# KiCad board sswkbd_wiring.kicad_pcb (continued)
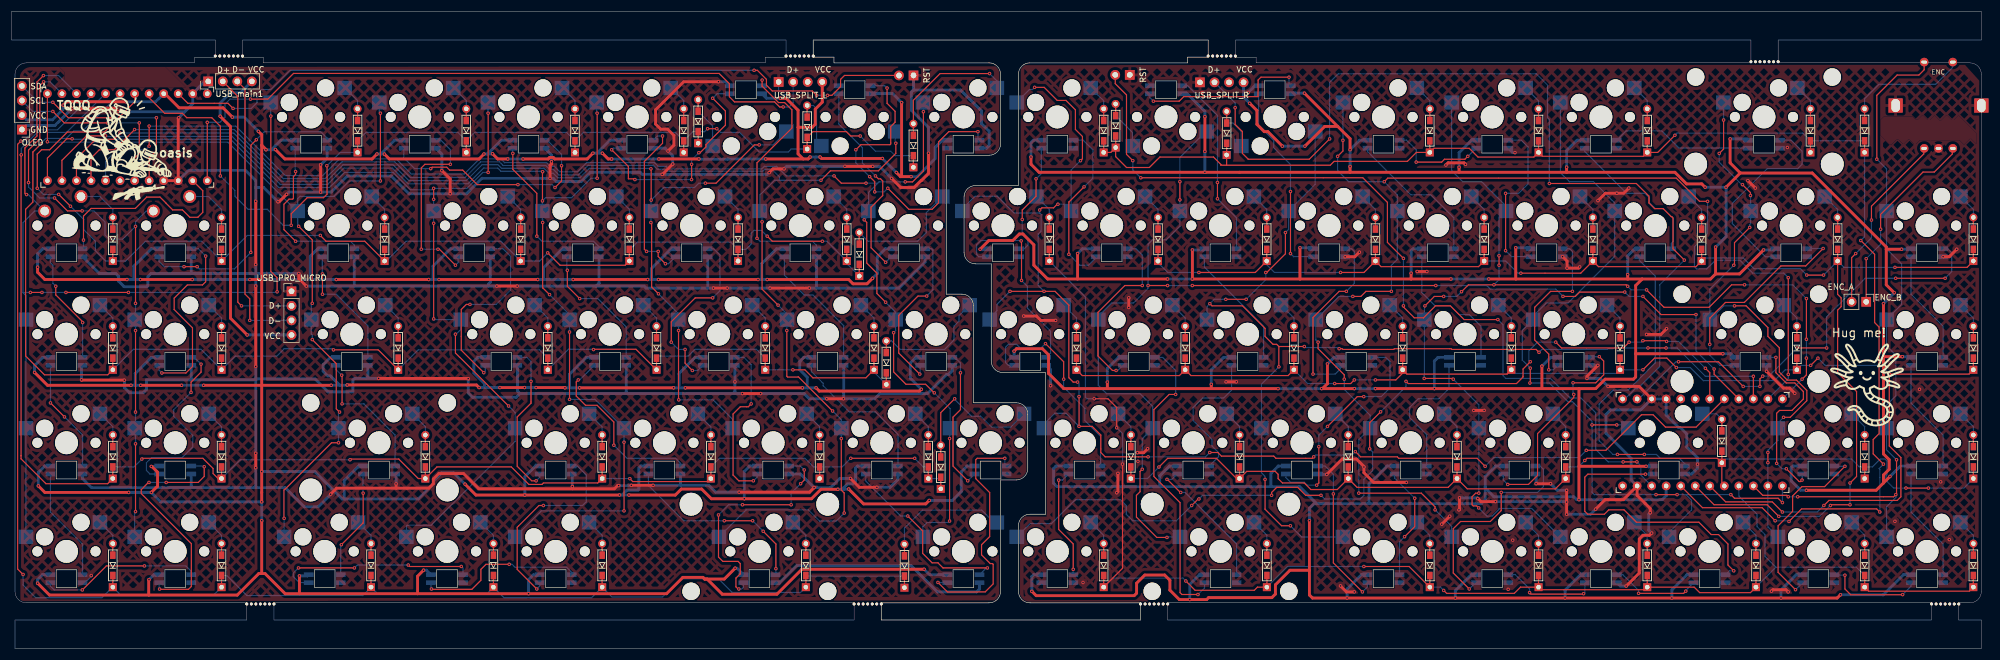
[diagram p0: board, top side]
## Nets
GND: LED1.3 LED2.3 LED3.3 LED4.3 LED5.3 LED6.3 LED7.3 LED8.3 LED9.3 LED10.3 LED11.3 LED12.3 LED13.3 LED14.3 LED15.3 LED16.3 LED17.3 LED18.3 LED19.3 LED20.3 LED21.3 LED22.3 LED23.3 LED24.3 LED25.3 LED26.3 LED27.3 LED28.3 LED29.3 LED30.3 LED31.3 LED32.3 LED33.3 LED34.3 LED35.3 LED36.3 LED37.3 LED38.3 OLED.1 RST.1 U1.3 U1.4 U1.23 USB_main1.1 USB_PRO_MICRO.1 USB_SPLIT_L.1
GND2: ENC. ENC.C LED39.3 LED40.3 LED41.3 LED42.3 LED43.3 LED44.3 LED45.3 LED46.3 LED47.3 LED48.3 LED49.3 LED50.3 LED51.3 LED52.3 LED53.3 LED54.3 LED55.3 LED56.3 LED57.3 LED58.3 LED59.3 LED60.3 LED61.3 LED62.3 LED63.3 LED64.3 LED65.3 LED66.3 LED67.3 LED68.3 LED69.3 LED70.3 LED71.3 LED72.3 LED73.3 LED74.3 LED75.3 LED76.3 LED77.3 LED78.3 RST#2.1 U2.3 U2.4 U2.23 USB_SPLIT_R.1
VCC: LED1.1 LED2.1 LED3.1 LED4.1 LED5.1 LED6.1 LED7.1 LED8.1 LED9.1 LED10.1 LED11.1 LED12.1 LED13.1 LED14.1 LED15.1 LED16.1 LED17.1 LED18.1 LED19.1 LED20.1 LED21.1 LED22.1 LED23.1 LED24.1 LED25.1 LED26.1 LED27.1 LED28.1 LED29.1 LED30.1 LED31.1 LED32.1 LED33.1 LED34.1 LED35.1 LED36.1 LED37.1 LED38.1 OLED.2 U1.21 USB_SPLIT_L.4
VCC2: LED39.1 LED40.1 LED41.1 LED42.1 LED43.1 LED44.1 LED45.1 LED46.1 LED47.1 LED48.1 LED49.1 LED50.1 LED51.1 LED52.1 LED53.1 LED54.1 LED55.1 LED56.1 LED57.1 LED58.1 LED59.1 LED60.1 LED61.1 LED62.1 LED63.1 LED64.1 LED65.1 LED66.1 LED67.1 LED68.1 LED69.1 LED70.1 LED71.1 LED72.1 LED73.1 LED74.1 LED75.1 LED76.1 LED77.1 LED78.1 U2.21 USB_SPLIT_R.4
col0: SW1.1 SW16.1 SW33.1 SW49.1 SW65.1 U1.15
col1: SW17.1 SW34.1 SW50.1 SW66.1 U1.14
col2: SW2.1 SW18.1 SW35.1 SW51.1 SW67.1 U1.13
col3: SW3.1 SW19.1 SW36.1 SW52.1 SW68.1 U1.12
col4: SW4.1 SW20.1 SW37.1 SW53.1 SW69.1 U1.11
col5: SW5.1 SW21.1 SW38.1 SW54.1 U1.10
col6: SW6.1 SW22.1 SW39.1 SW55.1 SW70.1 U1.9
col7: SW7.1 SW23.1 SW40.1 SW56.1 SW71.1 U1.8
col8: U1.7
col_r_0: SW72.1 U2.7
col_r_1: SW8.1 SW24.1 SW25.1 SW41.1 SW57.1 U2.8
col_r_2: SW9.1 SW26.1 SW42.1 SW58.1 SW73.1 U2.9
col_r_3: SW10.1 SW27.1 SW43.1 SW59.1 SW74.1 U2.10
col_r_4: SW11.1 SW28.1 SW44.1 SW60.1 SW75.1 U2.11
col_r_5: SW12.1 SW29.1 SW45.1 SW61.1 SW76.1 U2.12
col_r_6: SW13.1 SW30.1 SW46.1 SW62.1 SW77.1 U2.13
col_r_7: SW14.1 SW31.1 SW47.1 SW63.1 SW78.1 U2.14
col_r_8: ENC.S2 SW32.1 SW48.1 SW64.1 SW79.1 U2.15
LED_L: LED1.4 U1.2
LED_R: LED39.4 U2.2
OLED_SCL: OLED.3 U1.6
OLED_SDA: OLED.4 U1.5
row0: D1.1 D2.1 D3.1 D4.1 D5.1 D6.1 D7.1 U1.20
row1: D16.1 D17.1 D18.1 D19.1 D20.1 D21.1 D22.1 D23.1 U1.19
row2: D33.1 D34.1 D35.1 D36.1 D37.1 D38.1 D39.1 D40.1 U1.18
row3: D49.1 D50.1 D51.1 D52.1 D53.1 D54.1 D55.1 D56.1 U1.17
row4: D65.1 D66.1 D67.1 D68.1 D69.1 D70.1 D71.1 U1.16
row5: D8.1 D9.1 D10.1 D11.1 D12.1 D13.1 D14.1 D15.1 U2.20
row6: D25.1 D26.1 D27.1 D28.1 D29.1 D30.1 D31.1 D32.1 U2.19
row7: D41.1 D42.1 D43.1 D44.1 D45.1 D46.1 D47.1 D48.1 U2.18
row8: D57.1 D58.1 D59.1 D60.1 D61.1 D62.1 D63.1 D64.1 U2.17
row9: D24.1 D72.1 D73.1 D74.1 D75.1 D76.1 D77.1 D78.1 D79.1 U2.16
RST: RST.2 U1.22
RST_R: RST#2.2 U2.22
SPLIT_L: U1.1 USB_SPLIT_L.2
SPLIT_R: U2.1 USB_SPLIT_R.2
USB_D+: USB_main1.2 USB_PRO_MICRO.2
USB_D-: USB_main1.3 USB_PRO_MICRO.3
USB_VCC: USB_main1.4 USB_PRO_MICRO.4
Net-(D1-A): D1.2 SW1.2
Net-(D2-A): D2.2 SW2.2
Net-(D3-A): D3.2 SW3.2
Net-(D4-A): D4.2 SW4.2
Net-(D5-A): D5.2 SW5.2
Net-(D6-A): D6.2 SW6.2
Net-(D7-A): D7.2 SW7.2
Net-(D8-A): D8.2 SW8.2
Net-(D9-A): D9.2 SW9.2
Net-(D10-A): D10.2 SW10.2
Net-(D11-A): D11.2 SW11.2
Net-(D12-A): D12.2 SW12.2
Net-(D13-A): D13.2 SW13.2
Net-(D14-A): D14.2 SW14.2
Net-(D15-A): D15.2 ENC.S1
Net-(D16-A): D16.2 SW16.2
Net-(D17-A): D17.2 SW17.2
Net-(D18-A): D18.2 SW18.2
Net-(D19-A): D19.2 SW19.2
Net-(D20-A): D20.2 SW20.2
Net-(D21-A): D21.2 SW21.2
Net-(D22-A): D22.2 SW22.2
Net-(D23-A): D23.2 SW23.2
Net-(D24-A): D24.2 SW24.2
Net-(D25-A): D25.2 SW25.2
Net-(D26-A): D26.2 SW26.2
Net-(D27-A): D27.2 SW27.2
Net-(D28-A): D28.2 SW28.2
Net-(D29-A): D29.2 SW29.2
Net-(D30-A): D30.2 SW30.2
Net-(D31-A): D31.2 SW31.2
Net-(D32-A): D32.2 SW32.2
Net-(D33-A): D33.2 SW33.2
Net-(D34-A): D34.2 SW34.2
Net-(D35-A): D35.2 SW35.2
Net-(D36-A): D36.2 SW36.2
Net-(D37-A): D37.2 SW37.2
Net-(D38-A): D38.2 SW38.2
Net-(D39-A): D39.2 SW39.2
Net-(D40-A): D40.2 SW40.2
Net-(D41-A): D41.2 SW41.2
Net-(D42-A): D42.2 SW42.2
Net-(D43-A): D43.2 SW43.2
Net-(D44-A): D44.2 SW44.2
Net-(D45-A): D45.2 SW45.2
Net-(D46-A): D46.2 SW46.2
Net-(D47-A): D47.2 SW47.2
Net-(D48-A): D48.2 SW48.2
Net-(D49-A): D49.2 SW49.2
Net-(D50-A): D50.2 SW50.2
Net-(D51-A): D51.2 SW51.2
Net-(D52-A): D52.2 SW52.2
Net-(D53-A): D53.2 SW53.2
Net-(D54-A): D54.2 SW54.2
Net-(D55-A): D55.2 SW55.2
Net-(D56-A): D56.2 SW56.2
Net-(D57-A): D57.2 SW57.2
Net-(D58-A): D58.2 SW58.2
Net-(D59-A): D59.2 SW59.2
Net-(D60-A): D60.2 SW60.2
Net-(D61-A): D61.2 SW61.2
Net-(D62-A): D62.2 SW62.2
Net-(D63-A): D63.2 SW63.2
Net-(D64-A): D64.2 SW64.2
Net-(D65-A): D65.2 SW65.2
Net-(D66-A): D66.2 SW66.2
Net-(D67-A): D67.2 SW67.2
Net-(D68-A): D68.2 SW68.2
Net-(D69-A): D69.2 SW69.2
Net-(D70-A): D70.2 SW70.2
Net-(D71-A): D71.2 SW71.2
Net-(D72-A): D72.2 SW72.2
Net-(D73-A): D73.2 SW73.2
Net-(D74-A): D74.2 SW74.2
Net-(D75-A): D75.2 SW75.2
Net-(D76-A): D76.2 SW76.2
Net-(D77-A): D77.2 SW77.2
Net-(D78-A): D78.2 SW78.2
Net-(D79-A): D79.2 SW79.2
Net-(J4-Pin_1): ENC.B J4.1
Net-(J4-Pin_2): ENC.A J4.2
Net-(LED1-DOUT): LED1.2 LED2.4
Net-(LED2-DOUT): LED2.2 LED3.4
Net-(LED3-DOUT): LED3.2 LED4.4
Net-(LED4-DOUT): LED4.2 LED5.4
Net-(LED5-DOUT): LED5.2 LED6.4
Net-(LED6-DOUT): LED6.2 LED7.4
Net-(LED7-DOUT): LED7.2 LED8.4
Net-(LED8-DOUT): LED8.2 LED9.4
Net-(LED10-DIN): LED9.2 LED10.4
Net-(LED10-DOUT): LED10.2 LED11.4
Net-(LED11-DOUT): LED11.2 LED12.4
Net-(LED12-DOUT): LED12.2 LED13.4
Net-(LED13-DOUT): LED13.2 LED14.4
Net-(LED14-DOUT): LED14.2 LED15.4
Net-(LED15-DOUT): LED15.2 LED16.4
Net-(LED16-DOUT): LED16.2 LED17.4
Net-(LED17-DOUT): LED17.2 LED18.4
Net-(LED18-DOUT): LED18.2 LED19.4
Net-(LED19-DOUT): LED19.2 LED20.4
Net-(LED20-DOUT): LED20.2 LED21.4
Net-(LED21-DOUT): LED21.2 LED22.4
Net-(LED22-DOUT): LED22.2 LED23.4
Net-(LED23-DOUT): LED23.2 LED24.4
Net-(LED24-DOUT): LED24.2 LED25.4
Net-(LED25-DOUT): LED25.2 LED26.4
Net-(LED26-DIN): LED26.2 LED27.4
Net-(LED26-DOUT): LED27.2 LED28.4
Net-(LED28-DOUT): LED28.2 LED29.4
Net-(LED29-DOUT): LED29.2 LED30.4
Net-(LED30-DOUT): LED30.2 LED31.4
Net-(LED31-DOUT): LED31.2 LED32.4
Net-(LED32-DOUT): LED32.2 LED33.4
Net-(LED33-DOUT): LED33.2 LED34.4
Net-(LED34-DOUT): LED34.2 LED35.4
Net-(LED35-DIN): LED35.2 LED36.4
Net-(LED35-DOUT): LED36.2 LED37.4
Net-(LED37-DOUT): LED37.2 LED38.4
Net-(LED39-DOUT): LED39.2 LED40.4
Net-(LED40-DOUT): LED40.2 LED41.4
Net-(LED41-DOUT): LED41.2 LED42.4
Net-(LED42-DOUT): LED42.2 LED43.4
Net-(LED43-DOUT): LED43.2 LED44.4
Net-(LED44-DOUT): LED44.2 LED45.4
Net-(LED45-DOUT): LED45.2 LED46.4
Net-(LED46-DOUT): LED46.2 LED47.4
Net-(LED47-DOUT): LED47.2 LED48.4
Net-(LED48-DOUT): LED48.2 LED49.4
Net-(LED49-DOUT): LED49.2 LED50.4
Net-(LED50-DOUT): LED50.2 LED51.4
Net-(LED51-DOUT): LED51.2 LED52.4
Net-(LED52-DOUT): LED52.2 LED53.4
Net-(LED53-DOUT): LED53.2 LED54.4
Net-(LED54-DOUT): LED54.2 LED55.4
Net-(LED55-DIN): LED55.2 LED56.4
Net-(LED55-DOUT): LED56.2 LED57.4
Net-(LED57-DOUT): LED57.2 LED58.4
Net-(LED58-DOUT): LED58.2 LED59.4
Net-(LED59-DOUT): LED59.2 LED60.4
Net-(LED60-DOUT): LED60.2 LED61.4
Net-(LED61-DOUT): LED61.2 LED62.4
Net-(LED62-DOUT): LED62.2 LED63.4
Net-(LED63-DOUT): LED63.2 LED64.4
Net-(LED64-DOUT): LED64.2 LED65.4
Net-(LED65-DIN): LED65.2 LED66.4
Net-(LED65-DOUT): LED66.2 LED67.4
Net-(LED67-DOUT): LED67.2 LED68.4
Net-(LED68-DOUT): LED68.2 LED69.4
Net-(LED69-DOUT): LED69.2 LED70.4
Net-(LED70-DOUT): LED70.2 LED71.4
Net-(LED71-DOUT): LED71.2 LED72.4
Net-(LED72-DOUT): LED72.2 LED73.4
Net-(LED73-DOUT): LED73.2 LED74.4
Net-(LED74-DOUT): LED74.2 LED75.4
Net-(LED75-DOUT): LED75.2 LED76.4
Net-(LED76-DOUT): LED76.2 LED77.4
Net-(LED77-DOUT): LED77.2 LED78.4

Pads without a net: LED38 2; LED78 2; U1 24; U2 5 6 24; USB_SPLIT_L 3; USB_SPLIT_R 3

## Via types
v1: diameter 0.6, hole 0.3, Top to Bottom, 710 vias

## Routing (per net, layer and track width the routed paths; a pad name or vN(x,y) marks a point on that pad's centre or on a via; arc(x,y) is an arc through that point)
GND: length 939.6
  Top w0.2: 29.15,81.85 29.15,82.08
  Top w0.5: v1(50.23,65.61) 50.23,64.71 v1(51.53,63.41) ; 140.33,28.21 v1(140.28,28.16) 139.48,27.36 v1(127.18,27.36) ; v1(48.08,79.46) 46.78,78.16 v1(46.58,78.16) ; v1(42.69,63.41) v1(42.69,49.36) ; v1(94.13,82.26) 94.13,84.51 94.38,84.76 v1(94.38,85.16) ; v1(64.18,47.26) 79.78,47.26 v1(79.83,47.21) ; 67.23,28.06 72.95,28.06 73.73,28.84 73.73,29.66 74.68,30.61 79.03,30.61 81.68,27.96 98.03,27.96 ; 67.23,28.06 56.83,28.06 v1(55.78,27.01) ; 67.23,28.06 v1(67.23,28.81) ; v1(76.68,79.56) 76.68,82.16 v1(75.22,83.61) ; v1(108.33,28.56) v1(112.14,28.56) ; v1(139.45,63.06) v1(132.59,63.06) ; v1(125.1,63.06) v1(122.68,63.06) ; v1(42.69,31.63) v1(42.69,34.17) ; v1(130.94,44.61) v1(127.76,44.61) ; v1(10.74,94.46) 18.08,94.46 v1(18.63,93.91) ; 98.03,27.96 v1(98.03,28.36) ; 98.03,27.96 105.38,27.96 105.93,28.51 v1(106.13,28.51) ; v1(42.69,67.19) v1(42.69,78.24) ; v1(54.03,79.86) v1(54.03,84.61) ; v1(135.03,83.91) 133.08,83.91 v1(132.43,83.26) ; v1(115.58,84.76) 113.78,82.96 v1(113.73,82.96) ; v1(153.83,82.24) 155.41,80.66 157.78,80.66 159.03,81.91 159.08,81.91 160.28,83.11 v1(160.28,86.66) ; v1(123.58,99.16) 117.48,99.16 112.58,94.26 112.58,91.76 113.48,90.86 114.68,90.86 115.78,89.76 115.78,88.06 v1(114.75,87.03) ; v1(145.67,84.36) v1(150.53,84.36) ; v1(142.49,43.7) v1(145.42,43.7) ; v1(151.26,28.21) 148.18,28.21 v1(146.63,29.76) ; v1(19.74,46.96) 12.29,46.96 v1(12.24,47.01) ; v1(29.24,92.86) 29.15,92.76 29.15,81.85 U1.4 ; v1(88.39,63.41) v1(84.84,63.41)
  Bottom w0.2: v1(135.89,96.91) 134.75,96.91 134.08,97.57 USB_SPLIT_L.1 ; 145.44,43.73 v1(145.42,43.7) ; 12.42,11.51 12.44,11.54 12.88,11.54 13.94,12.6 v1(13.94,12.76)
  Bottom w0.5: 30.29,93.91 31.69,95.3 31.69,97.1 33.81,99.22 USB_main1.1 ; 30.29,93.91 v1(18.63,93.91) ; 30.29,93.91 v1(29.24,92.86) ; v1(123.58,99.16) 124.87,99.16 LED29.3 ; 83.38,63.41 v1(84.84,63.41) ; 83.38,63.41 59.88,63.41 ; 83.38,63.41 83.38,63.76 83.69,64.08 83.69,68.51 LED18.3 ; v1(42.69,31.63) 42.69,28.36 42.49,28.16 31.44,28.16 ; LED6.3 31.42,28.53 31.44,28.51 31.44,28.16 ; v1(64.18,47.26) 61.98,47.26 ; 61.98,47.26 59.98,47.26 59.68,46.96 59.68,44.91 55.33,44.91 53.05,47.18 42.85,47.18 42.68,47.01 31.59,47.01 ; 61.98,47.26 62.29,47.58 LED11.3 ; v1(151.26,28.21) 153.55,28.21 154.92,29.57 LED32.3 ; v1(19.74,46.96) 19.74,45.66 20.64,44.76 23.04,44.76 23.59,45.31 23.59,47.01 31.59,47.01 ; v1(42.69,49.36) v1(42.69,34.17) ; v1(139.45,63.06) 140.68,63.06 ; 140.68,63.06 155.1,63.06 159.67,67.63 LED36.3 ; 140.68,63.06 140.69,63.08 140.69,68.51 LED30.3 ; v1(94.38,85.16) 94.38,86.33 LED20.3 ; LED33.3 169.17,10.4 168.68,9.91 161.83,9.91 157.23,14.51 137.23,14.51 134.25,11.54 LED24.3 ; v1(113.73,82.96) 113.63,82.96 ; v1(113.73,82.96) 110.23,82.96 109.88,83.31 101.18,83.31 99.58,81.71 95.23,81.71 94.68,82.26 82.23,82.26 79.53,79.56 69.48,79.56 66.38,82.66 58.68,82.66 55.88,79.86 v1(54.03,79.86) 48.48,79.86 v1(48.08,79.46) ; v1(113.73,82.96) 132.13,82.96 v1(132.43,83.26) ; 88.88,44.61 88.44,45.04 88.44,49.51 LED17.3 ; 88.88,44.61 88.23,43.96 80.58,43.96 79.83,44.71 v1(79.83,47.21) ; 88.88,44.61 107.68,44.61 ; LED19.3 75.22,86.48 v1(75.22,83.61) ; v1(130.94,44.61) 138.53,44.61 139.45,43.7 v1(142.49,43.7) ; 117.03,28.56 121.88,28.56 123.08,27.36 v1(127.18,27.36) ; 117.03,28.56 116.92,28.67 LED23.3 ; 117.03,28.56 v1(112.14,28.56) ; v1(12.24,47.01) 12.24,49.36 LED2.3 ; LED10.3 59.92,63.45 59.88,63.41 ; v1(98.03,28.36) 98.03,30.43 LED16.3 ; LED3.3 12.42,29.73 13.99,28.16 31.44,28.16 ; v1(115.58,84.76) 115.58,86.21 v1(114.75,87.03) 114.25,87.54 LED28.3 ; v1(10.74,94.46) 10.54,94.46 7.59,91.51 2.54,91.51 OLED.1 ; 121.68,63.06 v1(122.68,63.06) ; 121.68,63.06 121.69,63.08 121.69,68.51 LED27.3 ; 121.68,63.06 110.93,63.06 110.58,63.41 102.18,63.41 ; LED31.3 145.44,49.51 145.44,43.73 ; LED8.3 31.42,65.68 31.49,65.61 ; 126.33,44.61 126.33,44.91 126.44,45.03 v1(126.44,46.66) 126.44,49.51 LED26.3 ; 126.33,44.61 107.68,44.61 ; 126.33,44.61 v1(127.76,44.61) ; v1(145.67,84.36) 135.48,84.36 v1(135.03,83.91) ; 157.63,97.71 157.65,97.73 RST.1 ; 157.63,97.71 165.88,97.71 169.53,94.06 169.53,91.85 170.87,90.51 170.87,87.99 170.41,87.54 LED38.3 ; 157.63,97.71 157.28,97.36 157.28,94.17 160.28,91.17 v1(160.28,86.66) ; v1(106.13,28.51) 108.28,28.51 v1(108.33,28.56) ; 59.88,63.41 v1(51.53,63.41) ; 42.69,65.61 v1(42.69,63.41) ; 42.69,65.61 v1(42.69,67.19) ; 42.69,65.61 31.49,65.61 ; v1(146.63,29.76) 144.78,29.76 143.18,28.16 v1(140.28,28.16) 137.9,30.54 LED25.3 ; 31.49,65.61 24.39,65.61 23.84,65.06 23.84,63.46 23.69,63.31 19.69,63.31 18.74,64.26 18.74,65.11 18.24,65.61 15.37,65.61 12.44,68.54 LED1.3 ; 107.68,44.61 107.44,44.84 107.44,49.51 LED22.3 ; 31.59,47.01 31.42,47.18 LED7.3 ; LED35.3 164.42,48.6 163.75,47.94 163.43,47.94 160.1,44.61 151.76,44.61 150.85,43.7 v1(145.42,43.7) ; LED12.3 67.23,30.35 v1(67.23,28.81) ; v1(125.1,63.06) v1(132.59,63.06) ; 42.69,80.66 42.69,81.86 40.89,83.66 30.95,83.66 29.15,81.85 ; 42.69,80.66 44.08,80.66 v1(46.58,78.16) ; 42.69,80.66 v1(42.69,78.24) ; v1(88.39,63.41) 102.18,63.41 ; 102.18,63.41 102.69,63.93 102.69,63.94 ; 42.63,65.61 v1(50.23,65.61) ; v1(54.03,84.61) 55.17,85.75 LED9.3 ; v1(150.53,84.36) 151.71,84.36 v1(153.83,82.24) ; v1(55.78,27.01) 55.78,26.96 53.63,24.81 51.18,24.81 47.83,28.16 42.43,28.16 ; 102.69,63.94 102.69,68.51 LED21.3 ; 102.69,63.94 102.68,63.93
GND2: length 218.3
  Top w0.5: v1(232.28,10.96) 233.32,9.91 v1(234.7,9.91) ; v1(253.08,26.36) 253.08,24.36 v1(252.98,24.26) ; v1(193.38,30.66) 193.38,27.46 v1(193.18,27.26) ; v1(212.28,46.66) v1(214.08,46.66) ; v1(277.26,49.54) 275.35,47.63 v1(275.35,47.25) ; v1(282.68,80.56) 281.78,79.66 v1(280.58,79.66) 278.58,79.66 v1(277.28,78.36) ; v1(276.88,24.39) 278.53,26.04 281.71,26.04 U2.23 284.12,26.81 286.4,24.52 v1(286.4,23.76) ; v1(250.7,84.59) 251.08,84.97 253.87,84.97 v1(254.13,84.72) ; v1(279.04,45.86) 284.47,45.86 U2.3 ; v1(307.59,10.04) 307.85,10.3 310.13,10.3 v1(310.51,9.91) ; v1(233.09,68.54) 234.77,68.54 v1(235.58,69.35) ; v1(285.78,54.96) 288.28,54.96 v1(289.28,55.96) ; v1(311.68,44.66) 310.78,45.56 309.68,45.56 v1(306.74,48.5) ; v1(269,28.84) v1(266.46,28.84) ; v1(243.78,29.06) 238.08,29.06 236.38,30.76 v1(236.38,31.76) 236.38,31.86 235.08,33.16 232.58,33.16 v1(229.88,30.46) ; v1(176.91,58.17) 179.13,58.17 179.9,57.41 v1(182.5,57.41) ; 271.8,25.79 v1(271.8,27.69) ; 271.8,25.79 v1(271.8,23.5) ; 271.8,25.79 v1(271.8,25.63) ; v1(303.48,81.86) v1(304.78,80.56) ; v1(274.08,66.76) 273.88,66.56 v1(271.88,66.56) 271.88,67.77 v1(271.09,68.56) ; v1(337.59,68.56) 338.68,68.56 v1(339.98,69.86) ; v1(282.21,10.93) 284.5,13.22 284.5,19.19 285.13,19.82 286.28,19.82 v1(286.66,20.2) ; v1(256.28,26.26) 256.83,25.71 v1(259.37,25.71) ; v1(245.68,65.96) v1(247.38,65.96) ; v1(195.28,61.36) v1(195.28,59.66) ; v1(198.58,34.96) 197.88,34.26 v1(196.78,34.26) ; v1(255.58,41.66) v1(257.38,41.66) ; v1(249.98,21.76) v1(251.38,23.16)
  Bottom w0.5: v1(229.88,30.46) 228.39,30.46 228.34,30.51 ; v1(266.46,28.84) 266.46,30.41 LED54.3 266.34,30.51 ; v1(181.61,45.98) 181.61,48.77 LED76.3 ; LED45.3 306.74,49.51 v1(306.74,48.5) ; v1(275.35,47.25) 277.64,47.25 v1(279.04,45.86) ; v1(286.66,20.2) 286.15,20.71 286.15,23.5 v1(286.4,23.76) ; v1(216.15,97.29) 217.33,98.46 217.96,98.46 ; v1(276.88,24.39) 275.99,23.5 v1(271.8,23.5) ; LED57.3 262.37,86.76 v1(262.78,86.76) ; LED50.3 293.65,30.54 294.68,31.56 v1(294.68,32.26) 294.68,33.36 292.78,35.26 292.78,37.56 291.68,38.66 291.38,38.66 289.2,40.84 U2.4 U2.3 284.75,41.76 279.48,41.76 278.68,40.96 278.68,37.66 283.08,33.26 283.08,29.49 U2.23 ; v1(253.08,26.36) 256.18,26.36 v1(256.28,26.26) ; LED55.3 275.84,49.54 v1(277.26,49.54) ; v1(271.8,25.63) 271.72,25.71 v1(259.37,25.71) ; v1(282.21,10.93) 281.2,10.93 LED52.3 ; v1(269,28.84) 270.15,27.69 v1(271.8,27.69)
  vias: v1(187.28,11.56) v1(196.88,32.76) v1(208.08,97.26) v1(261.58,10.36) v1(262.38,18.96) v1(310.38,87.66) v1(329.18,22.26) v1(333.48,45.36) v1(337.18,29.16) v1(338.68,19.06)
VCC: length 1168.1
  Top w0.5: 23.99,9.36 23.99,12.01 v1(24.04,12.06) ; 23.99,9.36 39.46,9.36 43.22,13.12 44.32,13.12 47.84,9.6 50.33,9.6 ; 23.99,9.36 6.65,9.36 v1(4.57,11.44) ; 43.68,46.06 v1(55.88,46.06) ; 50.33,9.6 v1(50.33,12.71) ; 50.33,9.6 70.98,9.6 ; v1(43.74,64.56) 43.74,46.06 ; v1(43.74,64.56) v1(41.68,64.56) ; v1(43.74,64.56) 43.74,88.06 ; 43.74,46.06 v1(33.59,46.06) ; 43.74,46.06 v1(43.74,25.66) ; v1(103.28,86.66) 104.29,85.65 v1(104.9,85.65) ; v1(159.51,13.88) 138.15,13.88 133.78,9.51 124.23,9.51 121.58,12.16 121.16,12.16 ; 155.38,82.56 155.57,82.76 v1(155.57,95.51) ; 155.38,82.56 v1(157.23,82.56) ; 155.38,82.56 v1(154.65,83.29) ; v1(84.08,86.56) 84.99,85.65 v1(86.74,85.65) ; v1(31.59,64.56) v1(22.54,64.56) ; v1(89.41,85.65) 93.8,85.65 94.07,85.91 94.69,85.91 94.95,85.65 100.61,85.65 v1(101.63,86.66) ; v1(117.78,45.61) v1(138.23,45.61) ; v1(160.4,25.92) 159.79,25.31 148.93,25.31 v1(146.33,27.91) ; v1(159.03,45.36) 158.72,45.05 141.19,45.05 v1(140.63,45.61) ; v1(24.44,31.86) 24.54,31.86 25.54,30.86 25.54,28.41 v1(24.44,27.31) ; v1(85.38,45.66) v1(89.66,45.66) ; v1(4.57,66.71) 4.57,65.83 5.84,64.56 v1(20.19,64.56) ; v1(132.08,64.56) 146.33,64.56 147.08,63.81 149.53,63.81 v1(150.5,64.78) ; v1(131.83,85.65) 139.24,85.65 v1(139.58,85.99) ; 26.6,97.1 U1.21 26.83,97.07 29.3,94.6 36.98,94.6 v1(38.61,92.97) ; v1(91.69,45.66) 96.68,45.66 v1(96.73,45.61) ; 137.48,91.19 137.48,86.55 138.38,85.65 ; 137.48,91.19 139.95,91.19 140.48,91.72 140.48,94.36 141.7,95.59 USB_SPLIT_L.4 ; 137.48,91.19 137.48,94.18 135.38,96.27 v1(134.37,96.27) ; v1(20.89,46.06) 6.29,46.06 v1(4.04,48.31) ; 70.98,9.6 114.49,9.6 117.35,12.45 120.86,12.45 121.16,12.16 ; 70.98,9.6 70.98,12.66 v1(72.03,13.71) ; v1(107.93,26.86) 116.03,26.86 117.08,27.91 120.63,27.91 122.33,26.21 139.83,26.21 141.48,27.87 v1(144.43,27.87) ; v1(126.48,14.06) 124.59,12.17 121.17,12.17 121.16,12.16 ; v1(141.33,85.99) 141.58,85.73 v1(152.2,85.73) ; v1(43.16,90.49) 43.75,89.89 43.75,88.07 43.74,88.06 ; v1(74.73,64.56) v1(91.98,64.56) ; v1(82.58,86.51) 81.71,85.65 66.04,85.65 v1(65.18,86.51) ; v1(20,95.66) 9.64,95.66 v1(9.04,95.06) ; v1(99.31,45.61) v1(115.73,45.61) ; v1(58.67,46.11) 81.28,46.11 v1(81.73,45.66) ; v1(29.74,46.06) v1(22.59,46.06) ; 43.74,88.06 44.54,87.26 ; v1(20.49,27.31) 5.85,27.31 v1(4.7,28.46) ; v1(106.28,26.86) v1(89.73,26.86) 81.18,26.86 v1(79.28,28.76) ; v1(113.08,64.56) v1(130.48,64.56) ; v1(63.88,86.51) 63.01,85.65 47.79,85.65 v1(46.13,87.31) ; v1(120.14,85.65) v1(113.16,85.65) ; v1(98.17,64.56) v1(111.18,64.56) ; v1(56.77,64.56) v1(72.93,64.56) ; v1(43.74,22.36) 43.74,13.18
  Bottom w0.5: 83.18,86.51 85.61,88.94 LED20.1 ; 83.18,86.51 84.03,86.51 v1(84.08,86.56) ; 83.18,86.51 v1(82.58,86.51) ; LED7.1 24.47,50.94 21.64,48.11 21.64,46.06 ; v1(24.44,31.86) 25.77,31.86 25.82,31.91 ; v1(72.03,13.71) 72.55,13.71 LED14.1 ; 131.13,64.56 v1(132.08,64.56) ; 131.13,64.56 v1(130.48,64.56) ; 131.13,64.56 131.13,67.35 133.72,69.94 LED30.1 ; v1(4.04,48.31) 4.04,49.51 5.47,50.94 LED2.1 ; v1(89.73,26.86) 89.73,30.06 91.61,31.94 LED16.1 ; LED9.1 47.11,88.94 45.43,87.26 ; 97.53,45.61 97.53,47.97 100.49,50.94 LED22.1 ; 97.53,45.61 v1(99.31,45.61) ; 97.53,45.61 v1(96.73,45.61) ; v1(141.33,85.99) v1(139.58,85.99) ; v1(4.57,11.44) 4.57,12.07 5.44,12.94 LED4.1 ; v1(4.7,28.46) 4.7,30.82 5.82,31.94 LED3.1 ; LED34.1 167.02,31.94 165.99,30.91 165.99,27.44 164.46,25.92 v1(160.4,25.92) ; 21.64,46.06 v1(22.59,46.06) ; 21.64,46.06 v1(20.89,46.06) ; 145.43,27.87 145.43,28.11 146.13,28.81 147.08,28.81 147.53,29.26 147.53,31.61 147.86,31.94 LED32.1 ; 145.43,27.87 v1(144.43,27.87) ; 145.43,27.87 146.28,27.87 v1(146.33,27.91) ; LED10.1 53.53,69.94 52.23,68.63 52.23,64.56 ; 111.88,64.56 v1(113.08,64.56) ; 111.88,64.56 v1(111.18,64.56) ; 111.88,64.56 111.88,66.51 115.31,69.94 LED27.1 ; 52.23,64.56 v1(56.77,64.56) ; 52.23,64.56 43.68,64.56 ; v1(72.93,64.56) 73.68,64.56 ; 73.68,64.56 73.68,66.9 76.72,69.94 LED18.1 ; 73.68,64.56 v1(74.73,64.56) ; 139.08,45.61 139.08,47.46 137.78,48.76 137.78,50.22 138.49,50.94 LED31.1 ; 139.08,45.61 v1(138.23,45.61) ; 139.08,45.61 v1(140.63,45.61) ; v1(91.69,45.66) v1(89.66,45.66) ; 21.39,64.56 21.39,66.88 24.44,69.94 LED8.1 ; 21.39,64.56 v1(20.19,64.56) ; 21.39,64.56 v1(22.54,64.56) ; v1(43.74,22.36) v1(43.74,25.66) 26.09,25.66 v1(24.44,27.31) v1(20.49,27.31) ; v1(120.14,85.65) 120.18,85.61 125.18,85.61 125.22,85.65 v1(131.83,85.65) ; 45.43,87.26 46.08,87.26 v1(46.13,87.31) ; 45.43,87.26 v1(44.48,87.26) ; v1(63.88,86.51) 64.53,86.51 ; 64.53,86.51 66.96,88.94 LED19.1 ; 64.53,86.51 v1(65.18,86.51) ; LED26.1 119.49,50.94 116.68,48.12 116.68,45.61 ; v1(50.33,12.71) 51.72,12.71 LED13.1 ; v1(9.04,95.06) 9.04,94.36 7.19,92.51 2.65,92.51 OLED.2 ; v1(157.23,82.56) 158.3,82.56 161.43,85.69 161.43,87.66 162.71,88.94 LED38.1 ; v1(41.68,64.56) v1(31.59,64.56) ; v1(126.48,14.06) 126.8,14.06 LED24.1 ; LED25.1 129.02,31.94 128.08,31 v1(128.08,26.21) ; v1(101.63,86.66) 102.33,86.66 ; 102.33,86.66 v1(103.28,86.66) ; 102.33,86.66 104.61,88.94 LED28.1 ; 158.84,50.94 158.08,50.94 157.1,49.95 157.1,47.29 v1(159.03,45.36) ; v1(89.41,85.65) v1(86.74,85.65) ; 106.73,26.86 v1(107.93,26.86) ; 106.73,26.86 107.58,27.71 109.48,27.71 109.66,27.89 109.66,31.58 110.02,31.94 LED23.1 ; 106.73,26.86 v1(106.28,26.86) ; LED17.1 81.49,50.94 80.83,50.27 80.83,48.21 82.68,46.36 82.68,45.66 ; LED29.1 131.96,96.27 v1(134.37,96.27) ; 92.34,12.94 92.32,12.91 91.23,12.91 90.38,12.06 v1(90.38,9.6) ; 58.29,26.17 57.82,26.17 53.03,30.96 43.68,30.96 ; 58.29,26.17 71.11,26.17 73.79,28.85 73.79,29.35 75.18,30.74 77.3,30.74 v1(79.28,28.76) ; 58.29,26.17 58.17,26.3 58.17,29.4 60.71,31.94 LED12.1 ; LED33.1 160.46,12.94 v1(159.51,13.88) ; v1(24.04,12.06) 24.92,12.94 LED5.1 ; v1(150.5,64.78) 151.33,65.61 151.33,68.55 152.72,69.94 LED36.1 ; LED1.1 5.44,69.94 4.57,69.07 v1(4.57,66.71) ; 82.68,45.66 v1(85.38,45.66) ; 82.68,45.66 v1(81.73,45.66) ; v1(115.73,45.61) 116.68,45.61 ; 116.68,45.61 v1(117.78,45.61) ; v1(55.88,46.06) 57.38,46.06 ; 57.38,46.06 58.62,46.06 v1(58.67,46.11) ; 57.38,46.06 55.73,47.71 55.28,47.71 54.48,48.51 54.48,49.66 55.76,50.94 LED11.1 ; v1(155.57,95.51) 154,97.09 150.22,97.09 150.19,97.06 ; v1(154.65,83.29) v1(152.2,85.73) ; v1(113.16,85.65) v1(104.9,85.65) ; 92.98,64.56 v1(98.17,64.56) ; 92.98,64.56 92.98,66.61 96.31,69.94 LED21.1 ; 92.98,64.56 v1(91.98,64.56) ; v1(43.16,90.49) 40.67,92.97 v1(38.61,92.97) ; v1(20,95.66) 25.19,95.66 U1.21 ; v1(29.74,46.06) v1(33.59,46.06)
  vias: v1(43.74,30.96)
VCC2: length 1130.9
  Top w0.5: v1(306.22,69.73) 302.02,65.54 297.83,65.54 ; v1(296,80.71) 295.42,81.29 292.75,81.29 290.72,83.32 271.8,83.32 ; v1(216.41,95.39) 217.68,94.12 217.68,91.7 218.95,90.43 219.58,90.43 v1(222.12,87.89) ; v1(300.37,89.16) 300.37,84.97 302.15,83.19 ; v1(251.59,64.65) 244.62,64.65 ; 244.62,64.65 225.19,64.65 ; 244.62,64.65 v1(244.62,65.67) ; 233.95,83.32 v1(208.58,83.32) 179.6,83.32 178.18,84.74 v1(178.18,85.99) ; 233.95,83.32 v1(233.95,84.34) ; 233.95,83.32 253,83.32 ; 225.19,64.65 v1(225.19,70.11) ; 225.19,64.65 206.39,64.65 ; 327.66,69.86 327.66,63.64 v1(329.06,62.24) ; 327.66,69.86 v1(330.35,69.86) ; 327.66,69.86 327.66,70.26 314.72,83.19 302.15,83.19 ; v1(226.06,87.89) 229.51,91.34 231.8,91.34 ; 282.47,64.65 v1(282.47,65.41) ; 282.47,64.65 262.91,64.65 ; 282.47,64.65 285.01,64.65 ; v1(202.06,64.65) 186.33,64.65 ; 186.33,64.65 181.1,64.65 178.69,67.06 178.69,70.62 176.78,72.53 176.15,72.53 175.01,71.38 170.81,71.38 v1(169.29,69.86) ; 186.33,64.65 v1(186.33,69.1) ; 283.86,51.57 283.86,47.51 283.48,47.13 278.53,47.13 276.88,45.47 273.96,45.47 ; 283.86,51.57 283.86,63.51 285.01,64.65 ; 283.86,51.57 v1(299.1,51.57) ; 273.96,31.89 v1(285.68,31.89) ; 273.96,31.89 273.96,45.47 ; 273.96,31.89 v1(273.96,26.04) ; v1(221.36,45.47) 209.7,45.47 ; 209.7,45.47 191.54,45.47 ; 209.7,45.47 v1(209.7,46.24) ; v1(178.33,10.02) 179.1,9.25 196.21,9.25 196.65,9.69 196.65,11.44 198.07,12.86 201.55,12.86 202.46,11.95 202.46,10.22 204.11,8.57 v1(205.94,8.57) 208.89,8.57 209.23,8.91 220.28,8.91 220.9,9.53 220.9,11.16 223.44,13.7 226.85,13.7 ; v1(226.85,22.36) 226.85,13.7 ; 226.85,13.7 226.85,9.37 227.38,8.84 319.09,8.84 v1(319.66,9.41) ; 191.54,45.47 183.92,45.47 181.25,48.14 181.25,51.39 180.18,52.46 175.67,52.46 v1(175.23,52.03) ; 191.54,45.47 v1(191.54,46.62) ; 302.15,83.19 v1(299.67,80.71) ; 297.83,65.54 v1(297.83,70.24) ; 297.83,65.54 296.94,64.65 285.01,64.65 ; 231.8,91.34 v1(225.98,97.16) ; 231.8,91.34 233.95,89.18 v1(233.95,87.26) ; v1(234.7,45.47) 229.13,45.47 ; 229.13,45.47 230,46.34 v1(230,49.79) ; 229.13,45.47 v1(228.98,45.47) ; 206.39,64.65 v1(206.39,69.73) ; 206.39,64.65 v1(206.38,64.65) ; 273.96,45.47 267.48,45.47 ; 267.48,45.47 v1(267.48,49.41) ; 267.48,45.47 v1(248.69,45.47) v1(238.38,45.47) ; v1(327.17,60.33) 327.17,51.06 ; 327.17,51.06 327.17,34.04 328.17,33.05 328.17,31.36 327.17,30.36 327.17,28.97 ; 327.17,51.06 v1(330.47,51.06) ; v1(208.58,93.06) v1(208.58,86.96) ; 262.91,64.65 v1(262.91,70.11) ; 262.91,64.65 v1(258.19,64.65) ; 253,83.32 v1(253,84.21) ; 253,83.32 271.8,83.32 ; 327.17,28.97 v1(328.31,30.11) ; 327.17,28.97 325.9,27.69 v1(313.71,27.69) ; 271.8,83.32 v1(271.8,84.21)
  Bottom w0.5: v1(216.41,95.39) 215.34,96.46 USB_SPLIT_R.4 ; 228.11,25.35 225.13,28.33 220.11,28.33 ; 228.11,25.35 227.68,25.35 226.85,24.52 v1(226.85,22.36) ; 228.11,25.35 237.25,25.35 ; v1(306.22,69.73) 308.04,69.73 LED46.1 ; LED42.1 330.67,12.94 327.14,9.41 v1(319.66,9.41) ; v1(271.53,8.84) 271.53,10.21 274.26,12.94 LED52.1 ; v1(186.33,69.1) 187.17,69.94 LED73.1 ; LED70.1 202.42,31.94 200.68,30.2 200.68,28.33 ; LED39.1 331.91,69.86 v1(330.35,69.86) ; v1(327.17,60.33) 327.17,60.35 v1(329.06,62.24) ; v1(299.1,51.57) 300.48,51.57 LED45.1 ; LED78.1 178.67,12.94 178.33,12.6 v1(178.33,10.02) ; 220.11,28.33 220.11,30.63 221.42,31.94 LED63.1 ; 220.11,28.33 200.68,28.33 ; 257.57,28.33 257.57,30.1 259.42,31.94 LED54.1 ; 257.57,28.33 257.57,26.06 256.87,25.35 237.25,25.35 ; 257.57,28.33 257.57,28.08 259.1,26.55 273.07,26.55 273.58,26.04 288.5,26.04 289.2,26.74 U2.21 ; v1(221.36,45.47) v1(228.98,45.47) ; LED75.1 170.41,69.86 v1(169.29,69.86) ; LED65.1 227.32,70.11 v1(225.19,70.11) ; v1(290.19,8.84) 290.19,10.28 292.86,12.94 LED51.1 ; v1(238.38,45.47) v1(234.7,45.47) ; LED58.1 235.62,88.94 233.95,87.27 v1(233.95,87.26) v1(233.95,84.34) ; LED68.1 208.29,69.73 v1(206.39,69.73) ; v1(253,84.21) 253,86.74 255.2,88.94 LED57.1 ; v1(202.06,64.65) v1(206.38,64.65) ; LED48.1 273.62,88.94 271.8,87.12 v1(271.8,84.21) ; v1(178.18,85.99) 178.18,88.5 178.62,88.94 LED74.1 ; v1(244.62,65.67) 244.62,69.6 244.95,69.94 LED59.1 ; 223.56,97.09 223.64,97.16 v1(225.98,97.16) ; v1(233.43,8.84) 233.43,10.41 235.96,12.94 LED62.1 ; LED56.1 265.32,70.11 v1(262.91,70.11) ; 200.68,28.33 182.73,28.33 182.14,28.91 182.14,31.51 182.57,31.94 LED77.1 ; LED49.1 283.7,69.94 282.47,68.7 v1(282.47,65.41) ; LED60.1 249.32,50.94 248.69,50.3 v1(248.69,45.47) ; v1(309.26,8.84) 309.26,10.25 311.96,12.94 LED43.1 ; v1(330.47,51.06) 331.87,51.06 LED40.1 ; LED41.1 330.14,31.94 v1(328.31,30.11) ; v1(297.83,70.24) 299.67,72.07 v1(299.67,80.71) v1(296,80.71) ; v1(205.94,8.57) 205.94,11.22 207.66,12.94 LED71.1 ; 204.56,97.06 205.48,97.06 208.58,93.96 v1(208.58,93.06) ; 303.52,88.94 303.29,89.16 v1(300.37,89.16) ; 237.25,25.35 237.25,28.78 240.42,31.94 LED61.1 ; LED64.1 231.14,50.94 v1(230,49.79) ; LED50.1 286.81,31.89 v1(285.68,31.89) ; LED72.1 193.48,50.94 191.54,48.99 v1(191.54,46.62) ; v1(313.71,27.69) 312.69,27.69 311.04,29.35 311.04,31.63 311.35,31.94 LED44.1 ; v1(208.58,83.32) v1(208.58,86.96) ; v1(175.23,52.03) 175.23,50.94 LED76.1 ; v1(222.12,87.89) v1(226.06,87.89) ; LED53.1 255.16,12.94 252.35,10.13 v1(252.35,8.84) ; v1(267.48,49.41) 269.01,50.94 LED55.1 ; v1(251.59,64.65) v1(258.19,64.65) ; LED69.1 211.86,50.94 209.7,48.78 v1(209.7,46.24)
col0: length 171.7
  Top w0.2: 2.63,79.37 2.35,79.66 2.35,87.57 4.46,89.68 4.46,99.11 v1(5.59,100.24) ; v1(20.45,62.3) v1(9.52,62.3) ; v1(3.3,62.3) v1(5.33,62.3) ; v1(46.43,62.41) 46.43,64.87 45.34,65.96 v1(45.34,93.15)
  Bottom w0.2: v1(5.33,62.3) v1(9.52,62.3) ; 2.03,62.36 2.09,62.3 v1(3.3,62.3) ; 2.03,62.36 2.03,62.24 2.53,61.74 SW65.1 ; 2.03,62.36 2.03,74.51 4.06,76.54 SW16.1 2.93,79.42 v1(2.63,79.42) ; 45.31,95.54 45.31,93.18 v1(45.34,93.15) ; v1(5.59,100.24) 8.22,100.24 11.37,97.1 U1.15 ; v1(20.45,62.3) 46.32,62.3 v1(46.43,62.41)
col1: length 107.6
  Top w0.2: v1(12.36,76.56) 9.79,76.56 v1(7.53,78.83) ; 21.68,60.37 v1(21.68,73.87) ; 3.03,81.47 v1(2.98,81.52) 2.98,87.2 4.96,89.18 4.96,98.5 v1(5.61,99.15) ; v1(21.68,23.96) 21.68,35.87 ; v1(21.68,41.37) 21.68,55.66
  Bottom w0.2: 21.53,19.51 21.53,23.81 v1(21.68,23.96) ; v1(2.98,81.52) 2.98,80.76 4.91,78.83 v1(7.53,78.83) ; U1.14 6.75,99.15 v1(5.61,99.15) ; v1(12.36,76.56) 14.41,76.56 16.34,74.63 16.34,72.35 17.05,71.64 19.45,71.64 v1(21.68,73.87) 21.68,74.66 23.56,76.54 SW17.1 ; v1(21.68,55.63) v1(21.68,60.4) ; v1(21.68,35.82) v1(21.68,41.37)
col2: length 154.1
  Top w0.2: 64.48,81.75 v1(64.48,93.66) ; 47.82,27.88 55.93,36 v1(57.16,36) ; v1(50.2,73.87) 52.58,71.48 52.58,60.37 ; v1(52.58,54.05) 56.77,49.86 56.77,41.94 v1(57.34,41.37) ; 47.82,27.93 47.62,27.74 47.62,22.81 v1(47.66,22.78) ; v1(6.29,88.65) U1.13
  Bottom w0.2: v1(64.48,93.66) 64.28,93.86 SW2.1 ; SW18.1 49.9,76.54 49.88,76.56 ; SW18.1 50.03,74.03 v1(50.2,73.87) ; SW18.1 49.85,76.54 37.81,88.58 6.36,88.58 v1(6.29,88.65) ; SW18.1 50.03,78.71 50.43,79.11 56.38,79.11 59.07,81.8 v1(64.48,81.8) ; v1(47.66,22.78) SW67.1 ; v1(57.34,41.37) 57.16,41.19 v1(57.16,36) ; v1(52.58,60.4) 52.41,60.23 SW35.1 52.41,55.01 52.58,54.84 v1(52.58,54.05)
col3: length 182.6
  Top w0.2: v1(10.6,89.18) 9.66,89.18 6.29,85.81 U1.12 ; v1(77.6,55) 77.6,51.7 78.36,50.94 ; 73.79,57.64 v1(73.79,74.41) ; 83.31,83.25 v1(83.31,93.66) ; v1(86.88,42.44) 78.36,50.96 ; v1(73.79,78.6) v1(73.79,80.51)
  Bottom w0.2: v1(73.79,57.67) 73.91,57.54 SW36.1 78.53,55.81 77.72,55 v1(77.6,55) ; v1(86.88,42.44) 88.03,41.29 88.03,36.26 73.36,21.58 69.18,21.58 69.03,21.43 SW68.1 ; 10.7,89.09 38.29,89.09 44.13,83.25 ; 44.07,83.3 46.7,80.66 55.58,80.66 58.21,83.3 66.69,83.3 69.73,80.26 73.54,80.26 v1(73.79,80.51) 79.59,80.51 82.38,83.3 v1(83.31,83.3) ; v1(73.79,74.41) v1(73.79,78.6) ; v1(83.31,93.66) 83.28,93.69 SW3.1
